# KiCad board blackpants.kicad_pcb
title: WHY2025 Badge Team; rev: V2.5; note: Lukas, Joris, Liam, Adam, Jay, Illya; note: Creators:; note: Licent: MIT
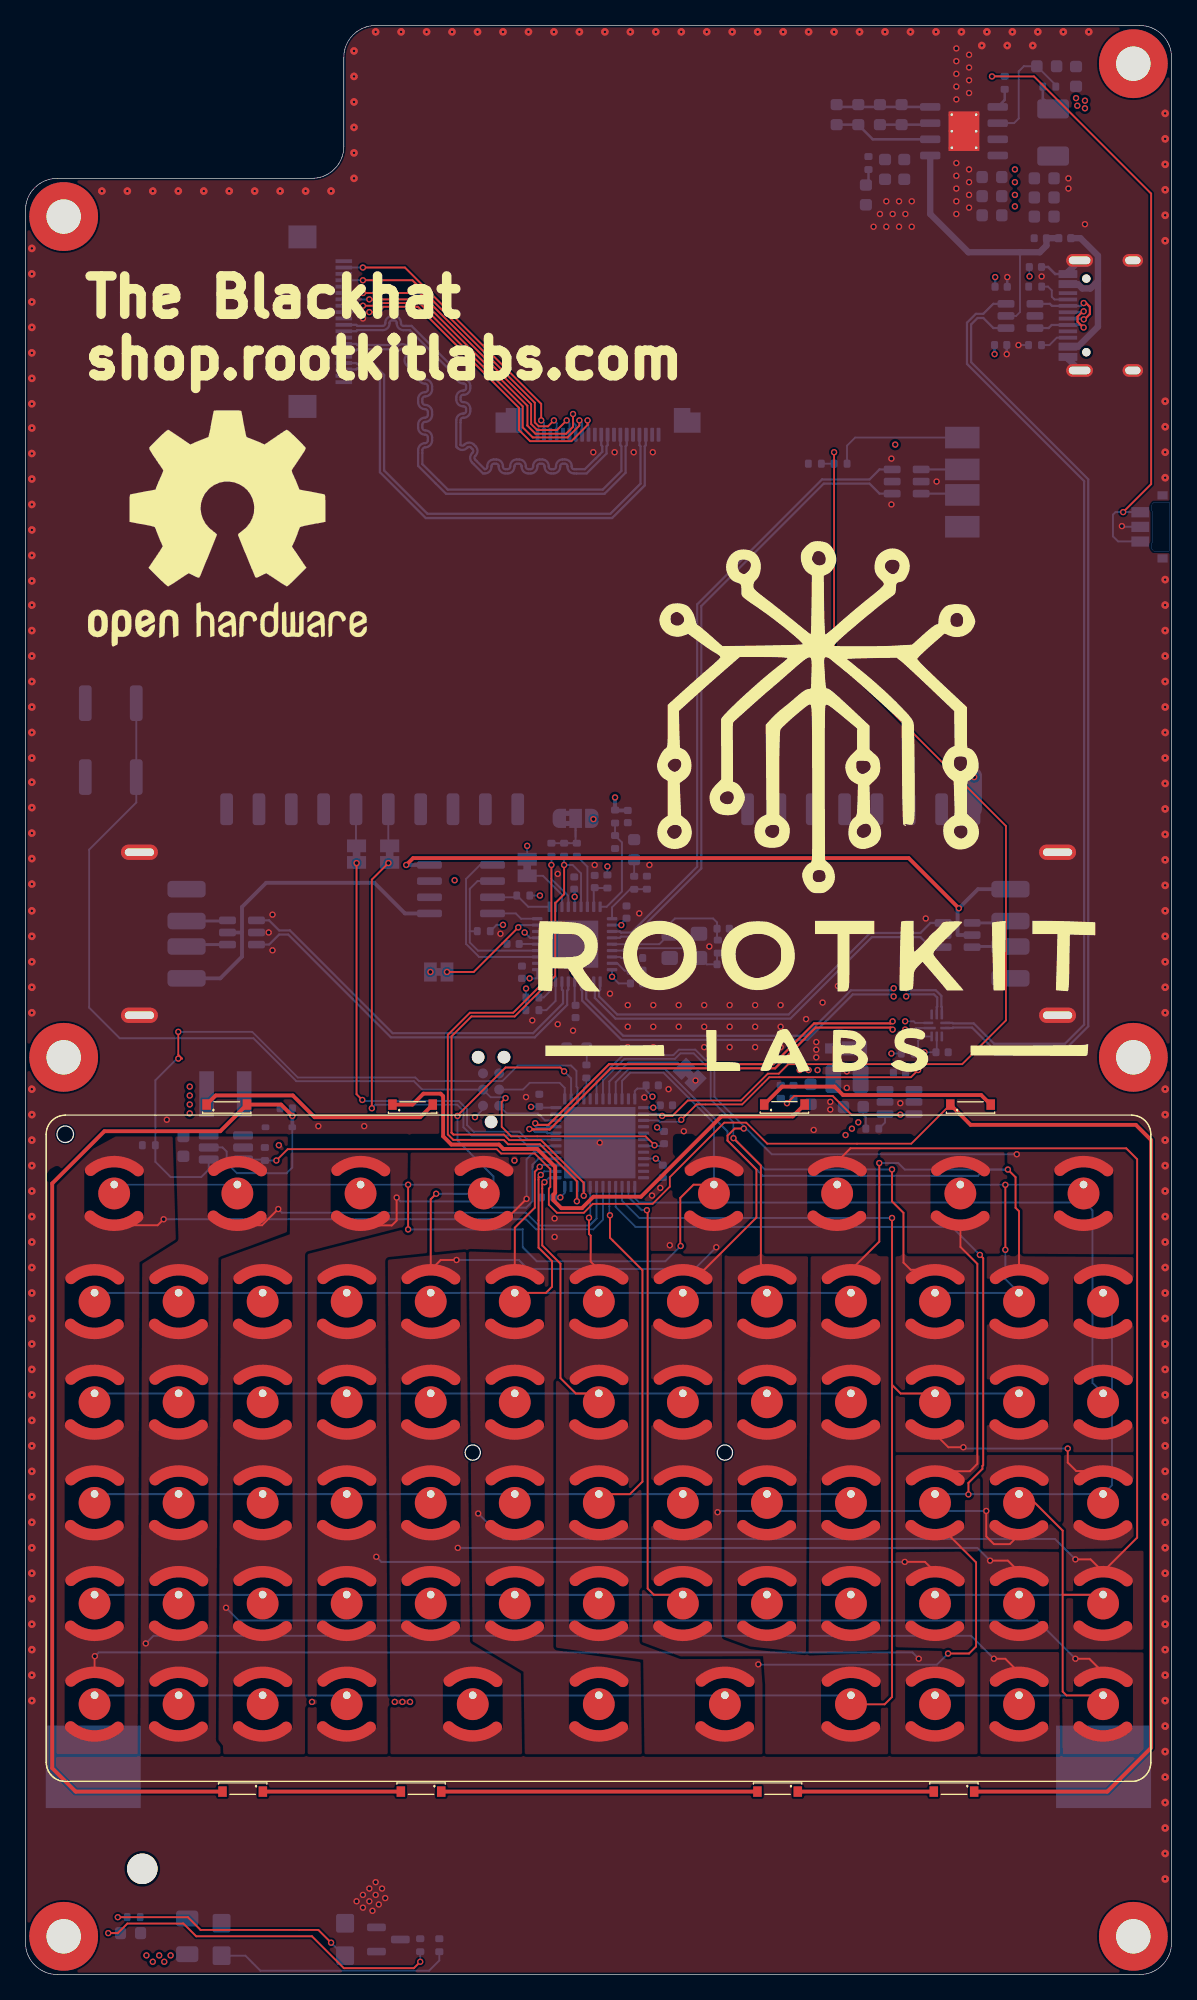
[diagram p0: board, top side]
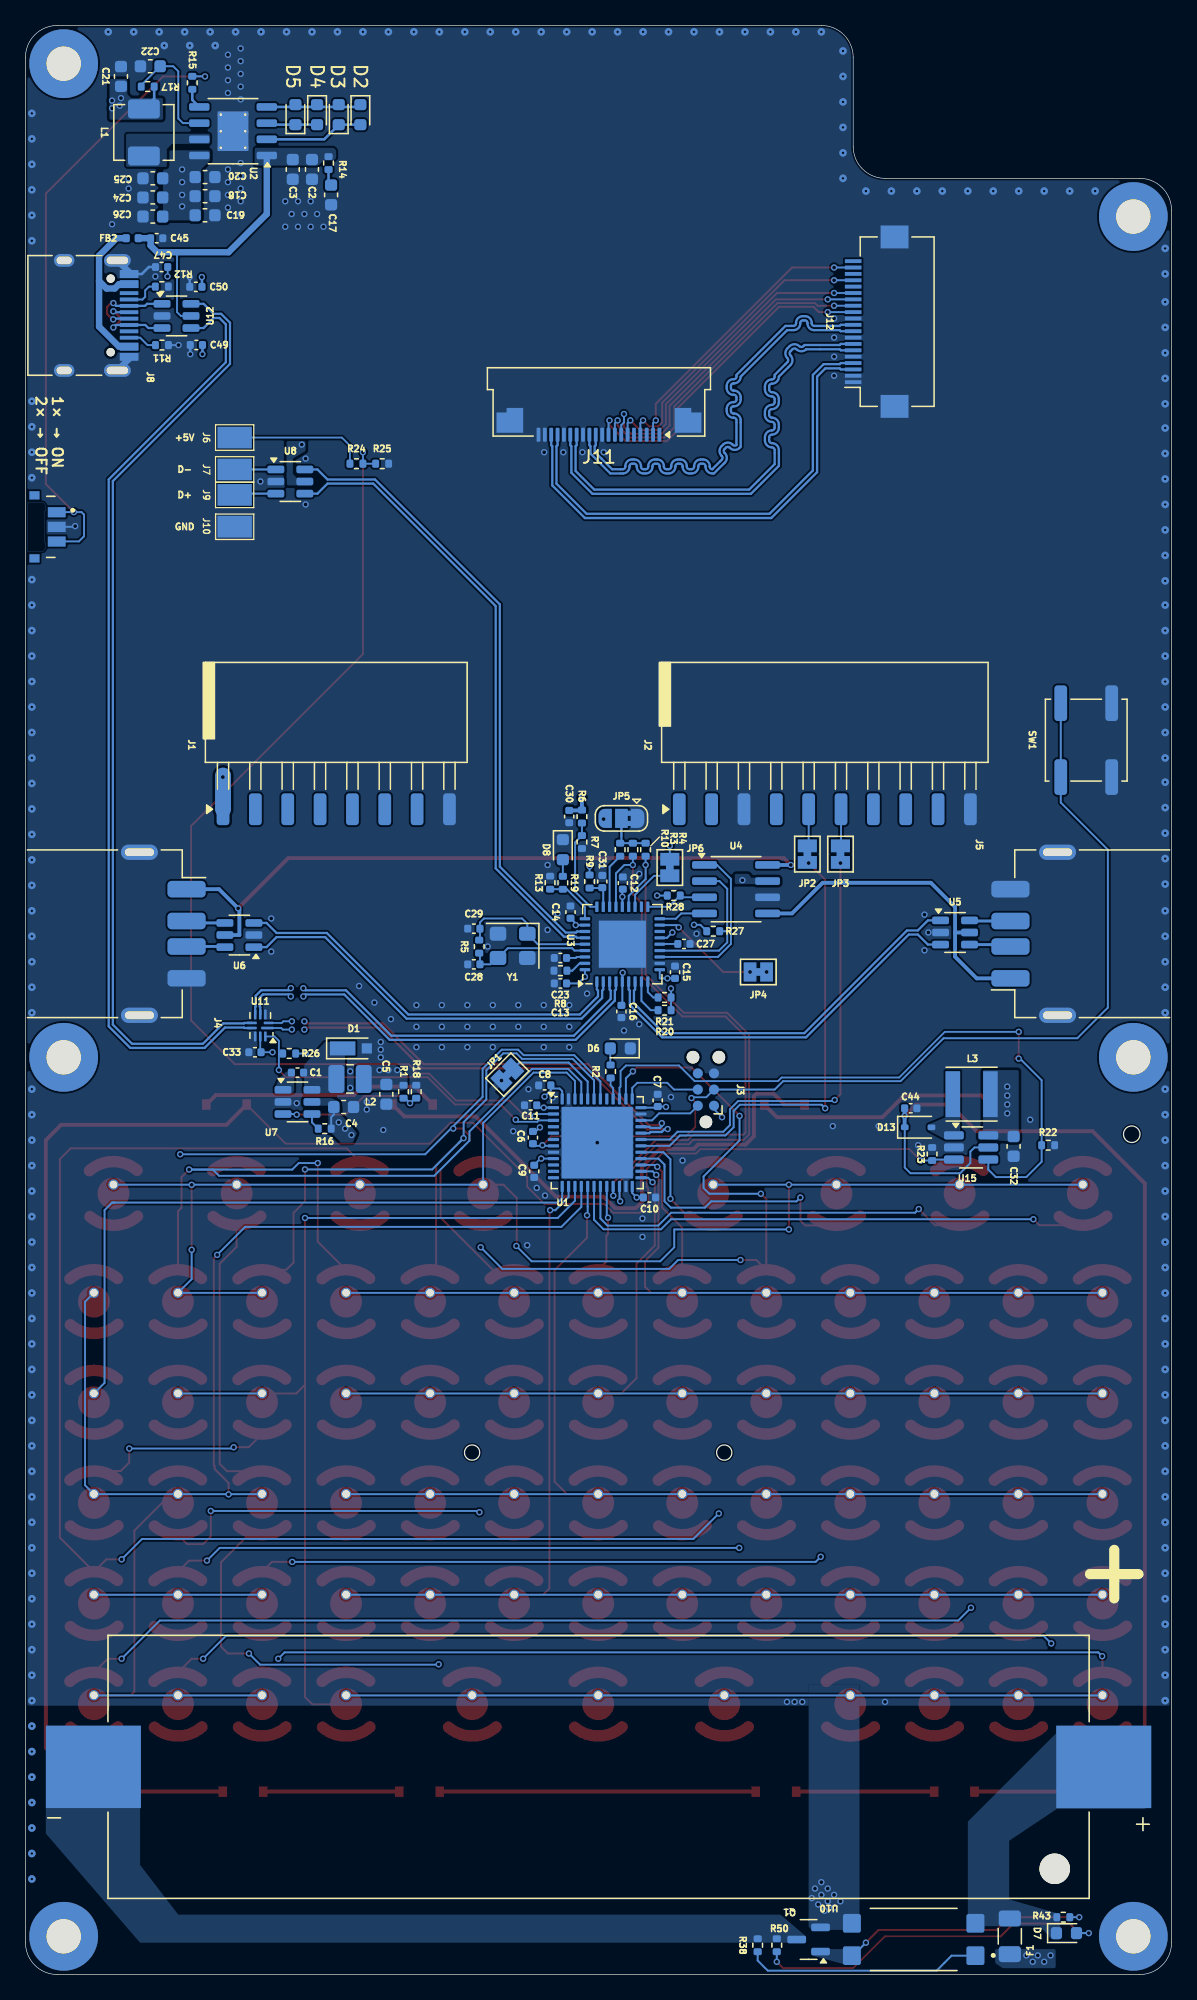
[diagram p1: board, bottom side, seen from below]

Outline 90 x 153 mm; copper layers: Top, In1.Cu, In2.Cu, Bottom. Coordinates in mm from the lower left corner of the outline.
Outline path: 0,138.5 0,2.5 arc(0.73,0.73) 2.5,0 87.5,0 arc(89.27,0.73) 90,2.5 90,150.5 arc(89.27,152.27) 87.5,153 27.5,153 arc(25.73,152.27) 25,150.5 25,143.5 arc(24.27,141.73) 22.5,141 2.5,141 arc(0.73,140.27) 0,138.5
Stack: Top 0.0175mm / dielectric 0.196mm FR4 er 4.5 / In1.Cu 0.035mm / dielectric 1.03mm FR4 er 4.5 / In2.Cu 0.035mm / dielectric 0.196mm 3313 RC57% 4.2mil er 3.72 / Bottom 0.035mm

## Placement (name value [footprint] x y rotation side)
BT1  18650 Cell  [BH-18650-B1BA002]  45 16.3 180 bottom
C1  1uF  [C_0402_1005Metric]  68.64 70.8 180 bottom
C2  10uF  [C_0603_1608Metric]  67.5 141.7 270 bottom
C3  10uF  [C_0603_1608Metric]  69.01 141.7 270 bottom
C4  10uF  [C_0603_1608Metric]  65.01 68.1 0 bottom
C5  10uF  [C_0603_1608Metric]  61.66 69.1 90 bottom
C6  100nF  [C_0402_1005Metric]  50.15 65.7 270 bottom
C7  1uF  [C_0402_1005Metric]  40.35 68.62 90 bottom
C8  100nF  [C_0402_1005Metric]  49.22 69.8 0 bottom
C9  100nF  [C_0402_1005Metric]  50.05 63.05 270 bottom
C10  100nF  [C_0402_1005Metric]  41 61 180 bottom
C11  100nF  [C_0402_1005Metric]  50.33 68.24 0 bottom
C12  4.7uF  [C_0402_1005Metric]  43.09 85.68 90 bottom
C13  100nF  [C_0402_1005Metric]  47.99 77.8 0 bottom
C14  100nF  [C_0402_1005Metric]  47.2 83.4 90 bottom
C15  100nF  [C_0402_1005Metric]  38.99 78.68 90 bottom
C16  100nF  [C_0402_1005Metric]  43.2 75.6 270 bottom
C17  10uF  [C_0603_1608Metric]  66 139.7 270 bottom
C18  22uF  [C_0603_1608Metric]  75.9 139.6 180 bottom
C19  22uF  [C_0603_1608Metric]  75.9 138.1 180 bottom
C20  22uF  [C_0603_1608Metric]  75.9 141.1 180 bottom
C21  22uF  [C_0603_1608Metric]  82.5 149 90 bottom
C22  22uF  [C_0603_1608Metric]  80.2 149.8 0 bottom
C23  100nF  [C_0402_1005Metric]  47.99 79.8 0 bottom
C24  22uF  [C_0603_1608Metric]  80 139.5 0 bottom  (not fitted)
C25  22uF  [C_0603_1608Metric]  80 141 0 bottom  (not fitted)
C26  22uF  [C_0603_1608Metric]  80 138 0 bottom  (not fitted)
C27  100nF  [C_0402_1005Metric]  38.29 80.9 180 bottom
C28  10pF  [C_0402_1005Metric]  54.79 79.3 180 bottom
C29  10pF  [C_0402_1005Metric]  54.79 82.1 180 bottom
C30  1uF  [C_0402_1005Metric]  47.3 90.9 90 bottom
C31  100nF  [C_0402_1005Metric]  44.7 85.8 270 bottom
C32  10uF  [C_0603_1608Metric]  12.4 65.01 270 bottom
C33  100nF  [C_0402_1005Metric]  71.98 72.4 0 bottom
C44  1uF  [C_0402_1005Metric]  20.48 68 180 bottom
C45  100nF  [C_0402_1005Metric]  79.69 136.3 180 bottom
C47  100nF  [C_0402_1005Metric]  79.31 134.04 0 bottom
C49  100nF  [C_0402_1005Metric]  76.58 127.92 0 bottom
C50  100nF  [C_0402_1005Metric]  76.62 132.48 0 bottom
D1  MSS2P3  [D_MicroSMP_AK]  64.21 72.7 180 bottom
D2  LED  [LED_0603_1608Metric]  63.7 146 270 bottom
D3  LED  [LED_0603_1608Metric]  65.4 146 90 bottom
D4  LED  [LED_0603_1608Metric]  67.1 146 270 bottom
D5  LED  [LED_0603_1608Metric]  68.8 146 90 bottom
D6  LED  [LED_0603_1608Metric]  43.29 72.7 0 bottom
D7  LED  [LED_0603_1608Metric]  8.25 3.25 180 bottom
D8  LED  [LED_0603_1608Metric]  47.8 88.3 270 bottom
D13  1N5819WS  [D_SOD-323]  19.9 66.51 180 bottom
D15  LED  [LTW-010DCG]  17.06 14.45 180 top
D16  LED  [LTW-010DCG]  31.07 14.45 180 top
D17  LED  [LTW-010DCG]  59.07 14.45 180 top
D18  LED  [LTW-010DCG]  72.92 14.45 180 top
D19  LED  [LTW-010DCG]  15.81 68.21 0 top
D20  LED  [LTW-010DCG]  30.4 68.21 0 top
D21  LED  [LTW-010DCG]  59.6 68.21 0 top
D22  LED  [LTW-010DCG]  74.22 68.21 0 top
F1  Polyfuse  [Fuse_1206_3216Metric]  12.7 3 90 bottom
FB2  120Ω@100MHz  [L_0402_1005Metric]  81.61 136.3 180 bottom
H1  CaseScrew  [MountingHole_2.7mm_Pad]  3 138 0 top
H2  CaseScrew  [MountingHole_2.7mm_Pad]  87 150 0 top
H3  CaseScrew  [MountingHole_2.7mm_Pad]  87 3 0 top
H4  CaseScrew  [MountingHole_2.7mm_Pad]  3 3 0 top
H6  CaseScrew  [MountingHole_2.7mm_Pad]  3 72 0 top
H7  CaseScrew  [MountingHole_2.7mm_Pad]  87 72 0 top
J1  Conn_01x08  [Harwin_M20-89008xx_1x08_P2.54mm_Horizontal]  65.59 97 90 bottom
J2  Conn_01x10  [Harwin_M20-89010xx_1x10_P2.54mm_Horizontal]  27.23 97 90 bottom
J3  Conn_ARM_SWD_TagConnect_TC2030-NL  [Tag-Connect_TC2030-IDC-NL_2x03_P1.27mm_Vertical]  36.56 69.47 90 bottom
J4  USB_A  [USB_A_Receptacle_GCT_USB1046]  84.6 81.7 270 bottom
J5  USB_A  [USB_A_Receptacle_GCT_USB1046]  5.4 81.7 90 bottom
J6  Conn_01x01_Pin  [1871059-1]  73.57 120.65 270 bottom
J7  Conn_01x01_Pin  [1871059-1]  73.57 118.15 270 bottom
J8  USB_C_Receptacle_USB2.0_16P  [USB_C_Receptacle_HRO_TYPE-C-31-M-12]  85.91 130.24 270 bottom
J9  Conn_01x01_Pin  [1871059-1]  73.57 116.15 270 bottom
J10  Conn_01x01_Pin  [1871059-1]  73.57 113.65 270 bottom
J11  Conn_01x20_MountingPin  [Amphenol_F32Q-1A7x1-11020_1x20-1MP_P0.5mm_Horizontal]  44.97 123.78 0 bottom
J12  Conn_01x20_MountingPin  [Hirose_FH12-20S-0.5SH_1x20-1MP_P0.50mm_Horizontal]  23.15 129.75 90 bottom
JP1  SolderJumper_2_Bridged  [SolderJumper-2_P1.3mm_Bridged_Pad1.0x1.5mm]  52.16 70.64 315 bottom
JP2  SolderJumper_2_Bridged  [SolderJumper-2_P1.3mm_Bridged_Pad1.0x1.5mm#2]  28.6 87.95 270 bottom
JP3  SolderJumper_2_Bridged  [SolderJumper-2_P1.3mm_Bridged_Pad1.0x1.5mm#2]  26 87.95 270 bottom
JP4  SolderJumper_2_Bridged  [SolderJumper-2_P1.3mm_Bridged_Pad1.0x1.5mm#2]  32.45 78.7 180 bottom
JP5  SolderJumper_3_Bridged12  [SolderJumper-3_P1.3mm_Bridged2Bar12_RoundedPad1.0x1.5mm]  43.2 90.76 0 bottom
JP6  SolderJumper_2_Bridged  [SolderJumper-2_P1.3mm_Bridged_Pad1.0x1.5mm#2]  39.4 86.9 90 bottom
L1  1uH  [L_Changjiang_FXL0420]  80.7 144.6 90 bottom
L2  2.2uH  [L_1008_2520Metric]  64.51 70.3 180 bottom
L3  6.8uH  [L_Vishay_IFSC-1515AH_4x4x1.8mm]  15.7 69.11 0 bottom
PWR_BUTTON1  PTS847MM160LSMTR2_LFS  [SW_PTS847MM160SMTR2_LFS]  88.01 113.65 270 bottom
Q1  AO3400A  [SOT-23]  28.5 2.75 0 bottom
R1  49.9k  [R_0402_1005Metric]  60.31 69.3 90 bottom
R2  1k  [R_0402_1005Metric]  44.05 70.89 90 bottom
R3  5.1K  [R_0402_1005Metric]  42.3 88.3 270 bottom
R4  5.1K  [R_0402_1005Metric]  41.3 88.3 270 bottom
R5  1M  [R_0402_1005Metric]  54.37 80.69 90 bottom
R6  100K  [R_0402_1005Metric]  46.3 90.9 270 bottom
R7  100K  [R_0402_1005Metric]  46.3 88.9 270 bottom
R8  12K  [R_0402_1005Metric]  47.99 78.8 0 bottom
R9  100K  [R_0402_1005Metric]  45.7 85.8 270 bottom
R10  5.1K  [R_0402_1005Metric]  43.3 88.3 270 bottom
R11  5.1K  [R_0402_1005Metric]  79.28 127.91 180 bottom
R12  5.1K  [R_0402_1005Metric]  79.29 132.5 180 bottom
R13  100K  [R_0402_1005Metric]  48.8 85.71 90 bottom
R14  2  [R_0402_1005Metric]  66.2 142.2 270 bottom
R15  10K  [R_0402_1005Metric]  76.9 148.5 90 bottom
R16  100K  [R_0402_1005Metric]  66.5 66.4 0 bottom
R17  0.5  [R_0402_1005Metric]  80.4 148.2 0 bottom
R18  15.8k  [R_0402_1005Metric]  59.31 69.3 270 bottom
R19  1K  [R_0402_1005Metric]  47.8 85.7 270 bottom
R20  100K  [R_0402_1005Metric]  39.81 75.7 180 bottom
R21  100K  [R_0402_1005Metric]  39.81 76.7 180 bottom
R22  100K  [R_0402_1005Metric]  9.69 65.1 180 bottom
R23  4R7  [R_0402_1005Metric]  18.8 64.41 90 bottom
R24  100K  [R_0402_1005Metric]  64.01 118.6 180 bottom
R25  100K  [R_0402_1005Metric]  61.99 118.6 180 bottom
R26  100K  [R_0402_1005Metric]  69.29 72.3 0 bottom
R27  100K  [R_0402_1005Metric]  35.99 81.9 180 bottom
R28  100K  [R_0402_1005Metric]  39.09 84.7 180 bottom
R38  150  [R_0402_1005Metric]  32.5 2.3 90 bottom
R43  1K  [R_0402_1005Metric]  8.5 4.5 0 bottom
R50  470  [R_0402_1005Metric]  31 2.3 90 bottom
S1  Logo_Open_Hardware_Large  [OSHW-Logo2_24.3x20mm_SilkScreen]  15.86 113.55 0 top
SW1  SW_Push  [SW_Push_1P1T_NO_CK_KSC7xxJ]  6.7 96.9 270 bottom
U1  STM32F042C6Ux  [QFN-48-1EP_7x7mm_P0.5mm_EP5.6x5.6mm]  45.1 65.3 180 bottom
U2  IP5306  [HSOP-8-1EP_3.9x4.9mm_P1.27mm_EP2.41x3.1mm_ThermalVias]  73.7 144.7 0 bottom
U3  USB2514B_Bi  [QFN-36-1EP_6x6mm_P0.5mm_EP3.7x3.7mm]  43.13 80.88 90 bottom
U4  MIC2026-1xM  [SOIC-8_3.9x4.9mm_P1.27mm]  34.2 85.2 180 bottom
U5  USBLC6-2SC6  [SOT-23-6]  17 81.8 180 bottom
U6  USBLC6-2SC6  [SOT-23-6]  73.2 81.6 0 bottom
U7  AOZ1280CI  [SOT-23-6]  68.64 68.5 180 bottom
U8  USBLC6-2SC6  [SOT-23-6]  69.2 117.2 180 bottom
U10  EL817S1C  [SOIC254P1030X390-4N]  20.25 2.75 0 bottom
U11  TPSGM7227YUWQ10G  [UQFN-10_1.4x1.8mm_P0.4mm]  71.56 74.5 0 bottom
U12  USBLC6-2SC6  [SOT-23-6]  78.14 130.2 180 bottom
U14  ~  [keyboard_arturo182]  45 41.31 0 top  (not fitted)
U15  AP3032  [SOT-23-6_Handsoldering]  15.74 64.92 180 bottom
Y1  24Mhz  [Crystal_SMD_Citizen_CS325S-4Pin_3.2x2.5mm]  51.74 80.75 0 bottom

## Library data of the parts
BT1 = -: Description: Single-cell battery; Description_1: SMT Holder for 18650 Battery; JLCPCB_CORRECTION: 0;0;-90; MPN: BH-18650-B1BA002
C1 = -: MPN: CL05B104KB54PNC; ki_fp_filters: C_*
C2 C3 C17 C32 = -: Description: Unpolarized capacitor; MPN: CL10A106MA8NRNC; ki_fp_filters: C_*
C4 C5 = -: MPN: CL10A106MA8NRNC; ki_fp_filters: C_*
C6-C11 C13-C16 C23 C27 C30 C31 C33 C45 C47 C49 C50 = -: Description: Unpolarized capacitor, small symbol; MPN: CL05B104KB54PNC; ki_fp_filters: C_*
C12 = -: Description: Unpolarized capacitor, small symbol; MPN: CL10A475MQ8NNNC; ki_fp_filters: C_*
C18-C22 C24-C26 = -: Description: Unpolarized capacitor; MPN: CL10A226MQ8NRNC; ki_fp_filters: C_*
C28 C29 = -: Description: Unpolarized capacitor, small symbol; MPN: GRM1555C1H100FA01D; ki_fp_filters: C_*
C44 = -: Description: Unpolarized capacitor; MPN: CL05B104KB54PNC; ki_fp_filters: C_*
D1 = -: MPN: MSS2P3-M3/89A; ki_fp_filters: TO-???* *_Diode_* *SingleDiode* D_*
D2-D8 = -: Description: Light emitting diode; Sim.Pins: 1=K 2=A; MPN: KT-0603R; ki_fp_filters: LED* LED_SMD:* LED_THT:*
D13 = -: Description: Schottky diode; ki_fp_filters: TO-???* *_Diode_* *SingleDiode* D_*
D15-D22 = -: Description: Light emitting diode; Sim.Pins: 1=K 2=A; MPN: LTW-010DCG; ki_fp_filters: LED* LED_SMD:* LED_THT:*
F1 = -: Description: Resettable fuse, polymeric positive temperature coefficient; MPN: SMD1206P200TF; ki_fp_filters: *polyfuse* *PTC*
FB2 = -: Description: Ferrite bead, small symbol; MPN: BLM15PD121SN1D; ki_fp_filters: Inductor_* L_* *Ferrite*
H1-H4 H6 H7 = -: Description: Mounting Hole without connection; ki_fp_filters: MountingHole*
J1 = -: Description: Generic connector, single row, 01x08, script generated (kicad-library-utils/schlib/autogen/connector/); MPN: M20-7910842R; ki_fp_filters: Connector*:*_1x??_*
J2 = -: Description: Generic connector, single row, 01x10, script generated (kicad-library-utils/schlib/autogen/connector/); MPN: M20-7911042R; ki_fp_filters: Connector*:*_1x??_*
J3 = -: Datasheet: https://www.tag-connect.com/wp-content/uploads/bsk-pdf-manager/TC2030-CTX_1.pdf; Description: Tag-Connect ARM Cortex SWD JTAG connector, 6 pin, no legs; ki_fp_filters: *TC2030*
J4 J5 = -: Description: USB Type A connector; MPN: USB1046-GF-0190-L-B-A; ki_fp_filters: USB*
J6 J7 J9 J10 = -: Description: Generic connector, single row, 01x01, script generated; MPN: 1871059-1; ki_fp_filters: Connector*:*_1x??_*
J8 = -: Datasheet: https://www.usb.org/sites/default/files/documents/usb_type-c.zip; Description: USB 2.0-only 16P Type-C Receptacle connector; MPN: TYPE-C-31-M-12; ki_fp_filters: USB*C*Receptacle*
J11 = -: Description: Generic connectable mounting pin connector, single row, 01x20, script generated (kicad-library-utils/schlib/autogen/connector/); MPN: F32Q-1A7H1-11020; ki_fp_filters: Connector*:*_1x??-1MP*
J12 = -: Description: Generic connectable mounting pin connector, single row, 01x20, script generated (kicad-library-utils/schlib/autogen/connector/); MPN: FH12-20S-0.5SH(55); ki_fp_filters: Connector*:*_1x??-1MP*
JP1-JP4 JP6 = -: Description: Solder Jumper, 2-pole, closed/bridged; ki_fp_filters: SolderJumper*Bridged*
JP5 = -: Description: 3-pole Solder Jumper, pins 1+2 closed/bridged; ki_fp_filters: SolderJumper*Bridged12*
L1 = -: Description: Inductor; MPN: RS0420-1R0MS; ki_fp_filters: Choke_* *Coil* Inductor_* L_*
L2 = -: MPN: DFE252012P-2R2M=P2; ki_fp_filters: Choke_* *Coil* Inductor_* L_*
L3 = -: Description: Inductor; MPN: IFSC1515AHER6R8M01; ki_fp_filters: Choke_* *Coil* Inductor_* L_*
PWR_BUTTON1 = -: MF: C&K; MAXIMUM_PACKAGE_HEIGHT: 0.96 mm; Package: None; Price: None; Check_prices: https://www.snapeda.com/parts/PTS847MM160LSMTR2%20LFS/C%2526K/view-part/?ref=eda; STANDARD: Manufacturer Recommendations; PARTREV: B; SnapEDA_Link: https://www.snapeda.com/parts/PTS847MM160LSMTR2%20LFS/C%2526K/view-part/?ref=snap; MP: PTS847MM160LSMTR2 LFS; Description_1: Tactile Switch SPST-NO Side Actuated Edge Mount, Right Angle; Availability: Not in stock; MANUFACTURER: C&K; MPN: PTS847MM160SMTR2LFS
Q1 = -: Datasheet: http://www.aosmd.com/pdfs/datasheet/AO3400A.pdf; Description: 30V Vds, 5.7A Id, N-Channel MOSFET, SOT-23; JLCPCB_CORRECTION: 0;0;180; ki_fp_filters: SOT?23*
R1 = -: Description: Resistor, small symbol; MPN: RC0402FR-1349K9L; ki_fp_filters: R_*
R2 = -: Description: Resistor; MPN: 0402WGF1001TCE; ki_fp_filters: R_*
R3 R4 R10-R12 = -: Description: Resistor, small symbol; MPN: RC0402FR-135K1L; ki_fp_filters: R_*
R5 = -: Description: Resistor, small symbol; MPN: RC0402FR-131ML; ki_fp_filters: R_*
R6 R7 R9 R13 R16 R20 R21 R24-R28 = -: Description: Resistor, small symbol; MPN: RC0402FR-13100KL; ki_fp_filters: R_*
R8 = -: Description: Resistor, small symbol; LCSC: C25905; MPN: RC0402FR-1312KL; ki_fp_filters: R_*
R14 = -: Description: Resistor; MPN: 0402WGJ020JTCE; ki_fp_filters: R_*
R15 = -: Description: Resistor, small symbol; MPN: 0402WGF1002TCE; ki_fp_filters: R_*
R17 = -: Description: Resistor; MPN: RTT02R500FTH; ki_fp_filters: R_*
R18 = -: Description: Resistor, small symbol; MPN: RC0402FR-1315K8L; ki_fp_filters: R_*
R19 R43 = -: Description: Resistor, small symbol; MPN: 0402WGF1001TCE; ki_fp_filters: R_*
R22 = -: Description: Resistor; MPN: RC0402FR-13100KL; ki_fp_filters: R_*
R23 = -: Description: Resistor; MPN: 0402WGF470KTCE; ki_fp_filters: R_*
R38 = -: Description: Resistor, small symbol; MPN: 0402WGF1500TCE; ki_fp_filters: R_*
R50 = -: Description: Resistor, small symbol; MPN: 0402WGF4700TCE; ki_fp_filters: R_*
S1 = -: Description: Open Hardware logo, large
SW1 = -: Description: Push button switch, generic, two pins; MPN: KSC741JLFS
U1 = -: Datasheet: https://www.st.com/resource/en/datasheet/stm32f042c6.pdf; Description: STMicroelectronics Arm Cortex-M0 MCU, 32KB flash, 6KB RAM, 48 MHz, 2.0-3.6V, 38 GPIO, UFQFPN48; MPN: STM32F042C6U6; ki_fp_filters: QFN*1EP*7x7mm*P0.5mm*
U2 = -: LCSC: C181692; JLCPCB_CORRECTION: 0;0;-90
U3 = -: Datasheet: http://ww1.microchip.com/downloads/en/DeviceDoc/00001692C.pdf; Description: USB 2.0 Hi-Speed Hub Controller; MPN: USB2514BI-AEZG-TR; ki_fp_filters: QFN*6x6mm*P0.5mm*
U4 = -: Datasheet: https://ww1.microchip.com/downloads/aemDocuments/documents/APID/ProductDocuments/DataSheets/MIC2026-MIC2076-Dual-Channel-Power-Distribution-Switch-DS20006443A.pdf; Description: Dual-channel, high side, power distribution switch, 2.7V-5.5V, Active High Output, SOIC-8; MPN: MIC2026-1YM-TR; ki_fp_filters: SOIC*3.9x4.9mm*P1.27mm*
U5 U6 U8 U12 = -: Datasheet: https://www.st.com/resource/en/datasheet/usblc6-2.pdf; Description: Very low capacitance ESD protection diode, 2 data-line, SOT-23-6; ki_fp_filters: SOT?23*
U7 = -: Datasheet: http://aosmd.com/res/data_sheets/AOZ1280CI.pdf; ki_fp_filters: SOT?23*
U10 = -: Datasheet: http://www.everlight.com/file/ProductFile/EL817.pdf; Description: DC Optocoupler, Vce 35V, DIP-4; MPN: EL817S1(C)(TU)-F; ki_fp_filters: DIP*W7.62mm*
U11 = -: Datasheet: https://www.lcsc.com/datasheet/lcsc_datasheet_2411111700_TECH-PUBLIC-TPSGM7227YUWQ10G_C42379165.pdf; ki_fp_filters: MSOP*3x3mm*P0.5mm*
U15 = -: JLCPCB_CORRECTION: 0;0;180; MPN: AP3032KTR-G1
Y1 = -: Description: Four pin crystal, GND on pins 2 and 4, small symbol; MPN: CS325S24000000ABJT; ki_fp_filters: Crystal*

## Footprints (pads in the part's own frame, mm; a bottom-side part is the same pattern mirrored in y, then rotated)
1871059-1
  rect 1.7x2.7 smd: 1(0,0)
Amphenol_F32Q-1A7x1-11020_1x20-1MP_P0.5mm_Horizontal
  rrect 0.3x1.1 smd: 1(-4.75,2.9) 2(-4.25,2.9) 3(-3.75,2.9) 4(-3.25,2.9) 5(-2.75,2.9) 6(-2.25,2.9) 7(-1.75,2.9) 8(-1.25,2.9) 9(-0.75,2.9) 10(-0.25,2.9) 11(0.25,2.9) 12(0.75,2.9) 13(1.25,2.9) 14(1.75,2.9) 15(2.25,2.9) 16(2.75,2.9) 17(3.25,2.9) 18(3.75,2.9) 19(4.25,2.9) 20(4.75,2.9)
  custom 2.1x1.95 smd: MP(-7,1.775) MP(7,1.775)
BH-18650-B1BA002
  round 2.39 hole 2.39 unplated: (35.82,-8)
  rect 7.46x6.47 smd: 1(39.67,0) 2(-39.67,0)
C_0402_1005Metric
  rrect 0.56x0.62 smd: 1(-0.48,0) 2(0.48,0)
C_0603_1608Metric
  rrect 0.9x0.95 smd: 1(-0.775,0) 2(0.775,0)
Crystal_SMD_Citizen_CS325S-4Pin_3.2x2.5mm
  rrect 1.3x1.1 smd: 1(-1.15,-0.95) 2(1.15,-0.95) 3(1.15,0.95) 4(-1.15,0.95)
D_MicroSMP_AK
  rect 2x1.1 smd: 1(-0.88,0)
  rect 0.8x0.8 smd: 2(1.02,0)
D_SOD-323
  rrect 0.6x0.45 smd: 1(-1.05,0) 2(1.05,0)
Fuse_1206_3216Metric
  rrect 1.25x1.75 smd: 1(-1.4,0) 2(1.4,0)
Harwin_M20-89008xx_1x08_P2.54mm_Horizontal
  rrect 2.5x1 smd: 1(-5.525,8.89) 2(-5.525,6.35) 3(-5.525,3.81) 4(-5.525,1.27) 5(-5.525,-1.27) 6(-5.525,-3.81) 7(-5.525,-6.35) 8(-5.525,-8.89)
Harwin_M20-89010xx_1x10_P2.54mm_Horizontal
  rrect 2.5x1 smd: 1(-5.525,11.43) 2(-5.525,8.89) 3(-5.525,6.35) 4(-5.525,3.81) 5(-5.525,1.27) 6(-5.525,-1.27) 7(-5.525,-3.81) 8(-5.525,-6.35) 9(-5.525,-8.89) 10(-5.525,-11.43)
Hirose_FH12-20S-0.5SH_1x20-1MP_P0.50mm_Horizontal
  rect 0.3x1.3 smd: 1(-4.75,1.85) 2(-4.25,1.85) 3(-3.75,1.85) 4(-3.25,1.85) 5(-2.75,1.85) 6(-2.25,1.85) 7(-1.75,1.85) 8(-1.25,1.85) 9(-0.75,1.85) 10(-0.25,1.85) 11(0.25,1.85) 12(0.75,1.85) 13(1.25,1.85) 14(1.75,1.85) 15(2.25,1.85) 16(2.75,1.85) 17(3.25,1.85) 18(3.75,1.85) 19(4.25,1.85) 20(4.75,1.85)
  rect 1.8x2.2 smd: MP(-6.65,-1.4) MP(6.65,-1.4)
HSOP-8-1EP_3.9x4.9mm_P1.27mm_EP2.41x3.1mm_ThermalVias
  rrect 0.97x1.25 smd: (-0.6,-0.775) (-0.6,0.775) (0.6,-0.775) (0.6,0.775)
  rrect 1.6x0.6 smd: 1(-2.65,1.905) 2(-2.65,0.635) 3(-2.65,-0.635) 4(-2.65,-1.905) 5(2.65,-1.905) 6(2.65,-0.635) 7(2.65,0.635) 8(2.65,1.905)
  round 0.5 hole 0.2: 9(-0.955,-1.3) 9(-0.955,0) 9(-0.955,1.3) 9(0.955,-1.3) 9(0.955,0) 9(0.955,1.3)
  rect 2.41x3.1 smd far side: 9(0,0)
  rect 2.41x3.1 smd: 9(0,0)
keyboard_arturo182
  custom 0.9x0.9 smd: 1(-38.035,22.5) 1(-38.034,17.505) 3(-28.364,17.505) 3(-28.36,22.5) 5(-18.685,22.5) 5(-18.684,17.505) 7(-9.01,22.5) 7(-9.004,17.505) 9(9.065,22.5) 9(9.066,17.505) 11(18.736,17.505) 11(18.74,22.5) 13(28.415,22.5) 13(28.416,17.505) 15(38.086,17.505) 15(38.09,22.5) 17(-39.575,14.01) 17(-39.574,9.015) 19(-32.975,14.01) 19(-32.974,9.015) 21(-26.375,14.01) 21(-26.374,9.015) 23(-19.775,14.01) 23(-19.774,9.015) 25(-13.175,14.01) 25(-13.174,9.015) 27(-6.575,14.01) 27(-6.574,9.015) 29(0.025,14.01) 29(0.026,9.015) 31(6.625,14.01) 31(6.626,9.015) 33(13.225,14.01) 33(13.226,9.015) 35(19.825,14.01) 35(19.826,9.015) 37(26.425,14.01) 37(26.426,9.015) 39(33.025,14.01) 39(33.026,9.015) 41(39.625,14.01) 41(39.626,9.015) 43(-39.575,6.11) 43(-39.574,1.115) 45(-32.975,6.11) 45(-32.974,1.115) 47(-26.375,6.11) 47(-26.374,1.115) 49(-19.775,6.11) 49(-19.774,1.115) 51(-13.175,6.11) 51(-13.174,1.115) 53(-6.575,6.11) 53(-6.574,1.115) 55(0.025,6.11) 55(0.026,1.115) 57(6.625,6.11) 57(6.626,1.115) 59(13.225,6.11) 59(13.226,1.115) 61(19.825,6.11) 61(19.826,1.115) 63(26.425,6.11) 63(26.426,1.115) 65(33.025,6.11) 65(33.026,1.115) 67(39.625,6.11) 67(39.626,1.115) 69(-39.575,-1.79) 69(-39.574,-6.785) 71(-32.975,-1.79) 71(-32.974,-6.785) 73(-26.375,-1.79) 73(-26.374,-6.785) 75(-19.775,-1.79) 75(-19.774,-6.785) 77(-13.175,-1.79) 77(-13.174,-6.785) 79(-6.575,-1.79) 79(-6.574,-6.785) 81(0.025,-1.79) 81(0.026,-6.785) 83(6.625,-1.79) 83(6.626,-6.785) 85(13.225,-1.79) 85(13.226,-6.785) 87(19.825,-1.79) 87(19.826,-6.785) 89(26.425,-1.79) 89(26.426,-6.785) 91(33.025,-1.79) 91(33.026,-6.785) 93(39.625,-1.79) 93(39.626,-6.785) 95(-39.575,-9.69) 95(-39.574,-14.685) 97(-32.975,-9.69) 97(-32.974,-14.685) 99(-26.375,-9.69) 99(-26.374,-14.685) 101(-19.775,-9.69) 101(-19.774,-14.685) 103(-13.175,-9.69) 103(-13.174,-14.685) 105(-6.575,-9.69) 105(-6.574,-14.685) 107(0.025,-9.69) 107(0.026,-14.685) 109(6.625,-9.69) 109(6.626,-14.685) 111(13.225,-9.69) 111(13.226,-14.685) 113(19.825,-9.69) 113(19.826,-14.685) 115(26.425,-9.69) 115(26.426,-14.685) 117(33.025,-9.69) 117(33.026,-14.685) 119(39.625,-9.69) 119(39.626,-14.685) 121(-39.575,-17.59) 121(-39.574,-22.585) 123(-32.975,-17.59) 123(-32.974,-22.585) 125(-26.375,-17.59) 125(-26.374,-22.585) 127(-19.775,-17.59) 127(-19.774,-22.585) 129(-9.875,-17.59) 129(-9.874,-22.585) 131(0.025,-17.59) 131(0.026,-22.585) 133(9.925,-17.59) 133(9.926,-22.585) 135(19.825,-17.59) 135(19.826,-22.585) 137(26.425,-17.59) 137(26.426,-22.585) 139(33.025,-17.59) 139(33.026,-22.585) 141(39.625,-17.59) 141(39.626,-22.585)
  round 0.8 hole 0.6: 2(-38.035,20.7) 4(-28.36,20.7) 6(-18.685,20.7) 8(-9.01,20.7) 10(9.065,20.7) 12(18.74,20.7) 14(28.415,20.7) 16(38.09,20.7) 18(-39.575,12.21) 20(-32.975,12.21) 22(-26.375,12.21) 24(-19.775,12.21) 26(-13.175,12.21) 28(-6.575,12.21) 30(0.025,12.21) 32(6.625,12.21) 34(13.225,12.21) 36(19.825,12.21) 38(26.425,12.21) 40(33.025,12.21) 42(39.625,12.21) 44(-39.575,4.31) 46(-32.975,4.31) 48(-26.375,4.31) 50(-19.775,4.31) 52(-13.175,4.31) 54(-6.575,4.31) 56(0.025,4.31) 58(6.625,4.31) 60(13.225,4.31) 62(19.825,4.31) 64(26.425,4.31) 66(33.025,4.31) 68(39.625,4.31) 70(-39.575,-3.59) 72(-32.975,-3.59) 74(-26.375,-3.59) 76(-19.775,-3.59) 78(-13.175,-3.59) 80(-6.575,-3.59) 82(0.025,-3.59) 84(6.625,-3.59) 86(13.225,-3.59) 88(19.825,-3.59) 90(26.425,-3.59) 92(33.025,-3.59) 94(39.625,-3.59) 96(-39.575,-11.49) 98(-32.975,-11.49) 100(-26.375,-11.49) 102(-19.775,-11.49) 104(-13.175,-11.49) 106(-6.575,-11.49) 108(0.025,-11.49) 110(6.625,-11.49) 112(13.225,-11.49) 114(19.825,-11.49) 116(26.425,-11.49) 118(33.025,-11.49) 120(39.625,-11.49) 122(-39.575,-19.39) 124(-32.975,-19.39) 126(-26.375,-19.39) 128(-19.775,-19.39) 130(-9.875,-19.39) 132(0.025,-19.39) 134(9.925,-19.39) 136(19.825,-19.39) 138(26.425,-19.39) 140(33.025,-19.39) 142(39.625,-19.39)